# KiCad board panel_rp2354_20x20.kicad_pcb
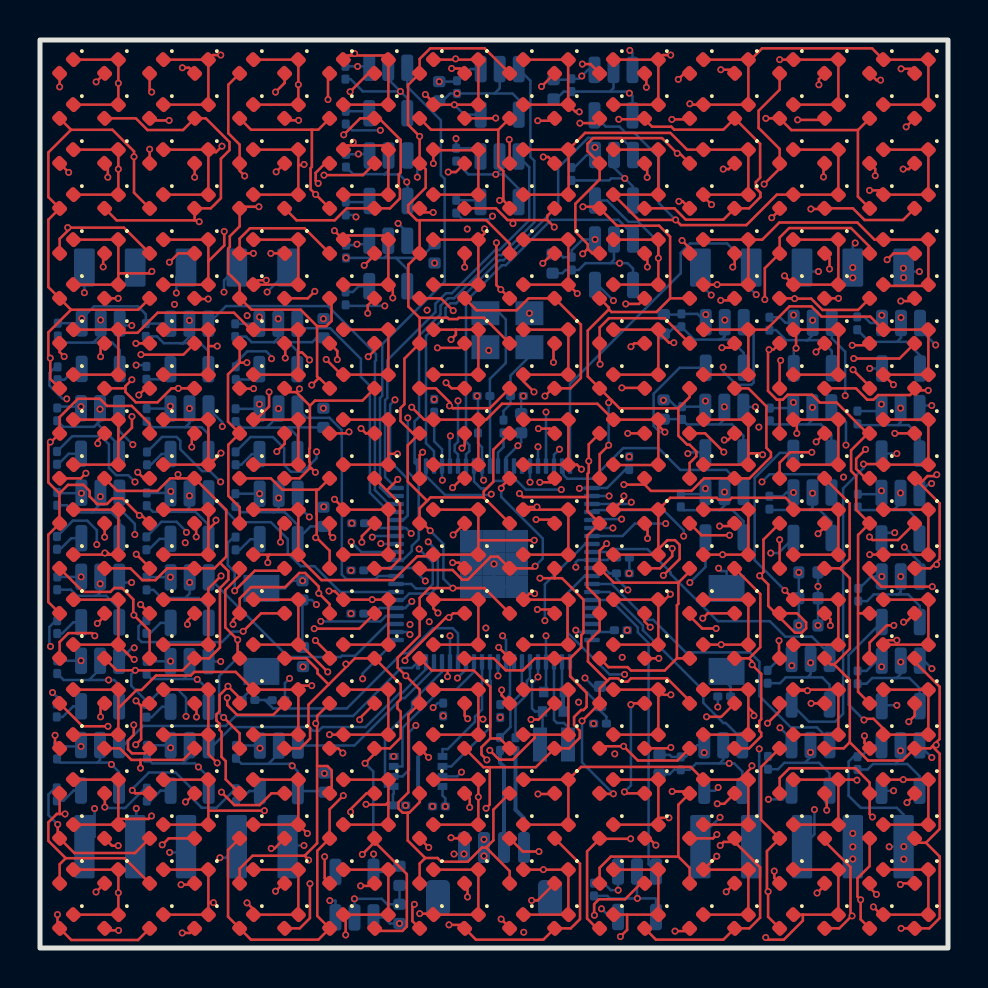
[diagram p0: board, top side]
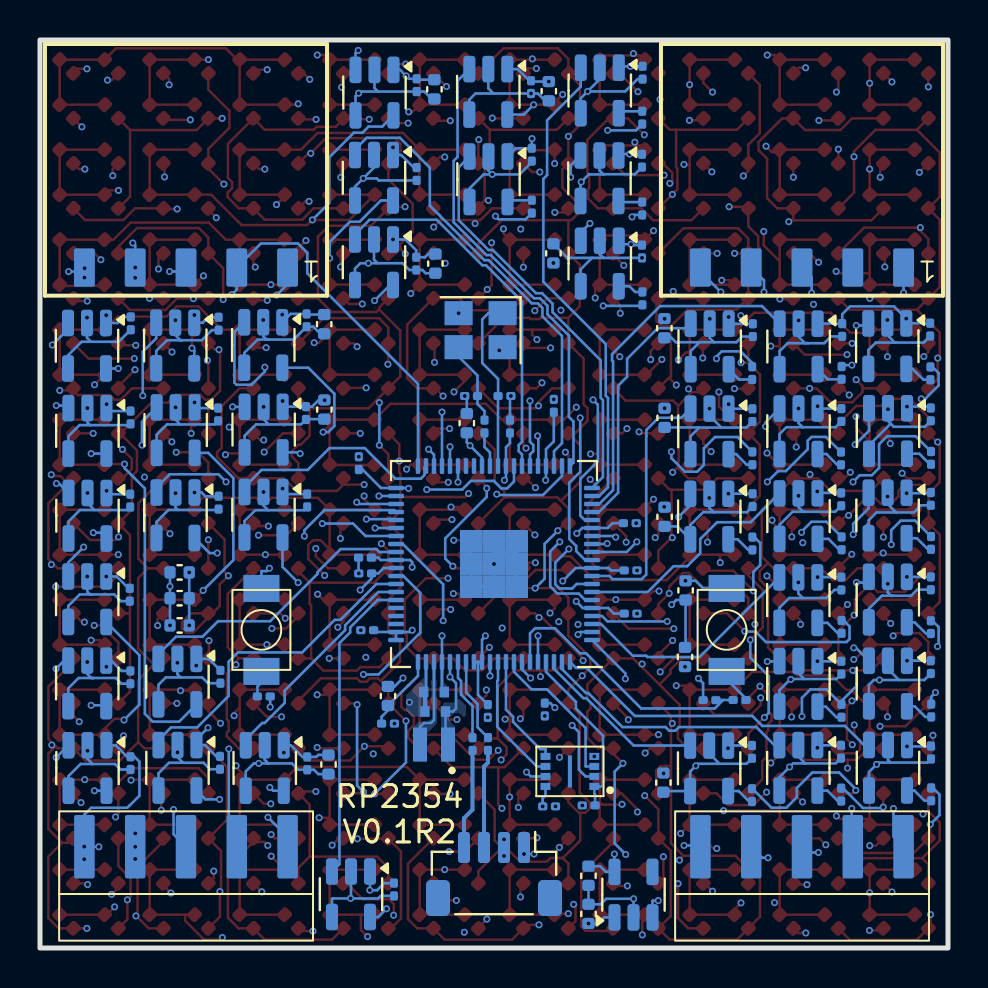
[diagram p1: board, bottom side, seen from below]

Outline 45.4 x 45.4 mm; copper layers: Top, In1.Cu, In2.Cu, In3.Cu (plane), In4.Cu (plane), Bottom. Coordinates in mm from the lower left corner of the outline.
Outline path: rectangle 0,45.4 45.4,0
Stack: Top 0.035mm / dielectric 0.1mm FR4 er 4.5 / In1.Cu 0.035mm / dielectric 0.535mm FR4 er 4.5 / In2.Cu 0.035mm / dielectric 0.1mm FR4 er 4.5 / In3.Cu 0.035mm / dielectric 0.535mm FR4 er 4.5 / In4.Cu 0.035mm / dielectric 0.1mm FR4 er 4.5 / Bottom 0.035mm

## Placement (name value [footprint] x y rotation side)
C1  15pF  [C_0201_0603Metric]  22.17 27.6 180 bottom
C2  15pF  [C_0201_0603Metric]  23.84 27.6 0 bottom
C3  100nF  [C_0201_0603Metric]  19.95 7.08 180 bottom
C4  4.7uF  [C_0402_1005Metric_small_pads]  25.7 12.8 0 bottom
C5  4.7uF  [C_0402_1005Metric_small_pads]  25.64 11.83 0 bottom
C6  100nF  [C_0201_0603Metric]  15.87 18.88 180 bottom
C7  4.7uF  [C_0402_1005Metric]  28 12.6 90 bottom
C8  4.7uF  [C_0402_1005Metric]  24.06 26.24 90 bottom
C9  100nF  [C_0201_0603Metric]  29.14 18.73 0 bottom
C10  100nF  [C_0201_0603Metric]  15.87 16.72 180 bottom
C11  100nF  [C_0201_0603Metric]  15.91 21.24 180 bottom
C12  100nF  [C_0201_0603Metric]  19.71 27.11 90 bottom
C13  100nF  [C_0201_0603Metric]  21.9 26.07 90 bottom
C14  100nF  [C_0201_0603Metric]  29.46 24.25 90 bottom
C15  100nF  [C_0201_0603Metric]  29.15 19.52 0 bottom
C16  100nF  [C_0201_0603Metric]  29.04 15.89 0 bottom
C17  100nF  [C_0201_0603Metric]  23.01 11.85 270 bottom
C18  100nF  [C_0201_0603Metric]  20.16 11.92 270 bottom
C19  100nF  [C_0201_0603Metric]  9.8 9.81 270 bottom
C20  100nF  [C_0201_0603Metric]  5.35 9.81 270 bottom
C21  100nF  [C_0201_0603Metric]  0.85 9.78 270 bottom
C22  100nF  [C_0201_0603Metric]  5.33 14.02 270 bottom
C23  100nF  [C_0201_0603Metric]  0.86 14.05 270 bottom
C24  100nF  [C_0201_0603Metric]  5.33 18.23 270 bottom
C25  100nF  [C_0201_0603Metric]  0.86 18.23 270 bottom
C26  100nF  [C_0201_0603Metric]  9.77 22.39 270 bottom
C27  100nF  [C_0201_0603Metric]  5.34 22.44 270 bottom
C28  100nF  [C_0201_0603Metric]  0.86 22.45 270 bottom
C29  100nF  [C_0201_0603Metric]  9.78 26.64 270 bottom
C30  100nF  [C_0201_0603Metric]  5.33 26.65 270 bottom
C31  100nF  [C_0201_0603Metric]  0.86 26.68 270 bottom
C32  100nF  [C_0201_0603Metric]  0.89 30.92 270 bottom
C33  100nF  [C_0201_0603Metric]  15.3 39.37 270 bottom
C34  100nF  [C_0201_0603Metric]  15.3 34.83 270 bottom
C35  100nF  [C_0201_0603Metric]  9.76 30.89 270 bottom
C36  100nF  [C_0201_0603Metric]  5.29 30.9 270 bottom
C37  100nF  [C_0201_0603Metric]  15.27 43.77 270 bottom
C38  100nF  [C_0201_0603Metric]  20.81 39.67 270 bottom
C39  100nF  [C_0201_0603Metric]  20.85 43.05 270 bottom
C40  100nF  [C_0201_0603Metric]  26.57 43.14 270 bottom
C41  100nF  [C_0201_0603Metric]  26.57 38.7 270 bottom
C42  100nF  [C_0201_0603Metric]  36.47 31.22 270 bottom
C43  100nF  [C_0201_0603Metric]  32.07 31.39 270 bottom
C44  100nF  [C_0201_0603Metric]  26.59 34.22 270 bottom
C45  100nF  [C_0201_0603Metric]  36.49 26.68 270 bottom
C46  100nF  [C_0201_0603Metric]  32.1 26.75 270 bottom
C47  100nF  [C_0201_0603Metric]  40.86 31.23 270 bottom
C48  100nF  [C_0201_0603Metric]  36.47 22.27 270 bottom
C49  100nF  [C_0201_0603Metric]  32.04 22.38 270 bottom
C50  100nF  [C_0201_0603Metric]  40.87 26.53 270 bottom
C51  100nF  [C_0201_0603Metric]  40.91 17.66 270 bottom
C52  100nF  [C_0201_0603Metric]  40.89 22.37 270 bottom
C53  100nF  [C_0201_0603Metric]  40.88 13.53 270 bottom
C54  100nF  [C_0201_0603Metric]  36.38 13.56 270 bottom
C55  100nF  [C_0201_0603Metric]  40.88 9.25 270 bottom
C56  100nF  [C_0201_0603Metric]  36.4 9.26 270 bottom
C57  100nF  [C_0201_0603Metric]  32.04 9.23 270 bottom
C58  100nF  [C_0201_0603Metric]  27.7 2.92 270 bottom
C59  10uF  [C_0402_1005Metric]  13.12 17.88 90 bottom
C60  10uF  [C_0402_1005Metric]  19.73 34.73 90 bottom
C61  10uF  [C_0402_1005Metric]  38.42 17.49 0 bottom
C62  10uF  [C_0402_1005Metric]  13.15 14.55 270 bottom
C63  10uF  [C_0402_1005Metric]  38.42 16.13 0 bottom
C64  10uF  [C_0402_1005Metric]  14.17 21.56 270 bottom
C65  10uF  [C_0402_1005Metric]  30.98 9.17 270 bottom
C66  10uF  [C_0402_1005Metric]  14.23 8.27 270 bottom
C67  10uF  [C_0402_1005Metric]  17.98 1.7 90 bottom
C68  10uF  [C_0402_1005Metric]  17.98 3.61 270 bottom
C69  10uF  [C_0402_1005Metric]  19.96 42.84 270 bottom
C70  10uF  [C_0402_1005Metric]  25.68 42.94 270 bottom
C71  10uF  [C_0402_1005Metric]  31.18 26.92 270 bottom
C72  10uF  [C_0402_1005Metric]  31.19 31.19 270 bottom
C73  10uF  [C_0402_1005Metric]  25.63 34.22 270 bottom
C74  10uF  [C_0402_1005Metric]  14.18 30.99 270 bottom
C75  10uF  [C_0402_1005Metric]  14.17 26.51 270 bottom
C76  10uF  [C_0402_1005Metric]  38.42 18.78 0 bottom
D1  LED_T0  [LED_0402_1005Metric]  1.33 44.08 225 top
D2  LED_T0  [LED_0402_1005Metric]  1.33 39.58 225 top
D3  LED_T0  [LED_0402_1005Metric]  1.33 35.08 225 top
D4  LED_T0  [LED_0402_1005Metric]  1.33 30.58 225 top
D5  LED_T0  [LED_0402_1005Metric]  1.33 26.08 225 top
D6  LED_T0  [LED_0402_1005Metric]  1.33 21.58 225 top
D7  LED_T0  [LED_0402_1005Metric]  1.33 17.08 225 top
D8  LED_T0  [LED_0402_1005Metric]  1.33 12.58 225 top
D9  LED_T0  [LED_0402_1005Metric]  1.33 8.08 225 top
D10  LED_T0  [LED_0402_1005Metric]  1.33 3.58 225 top
D11  LED_T0  [LED_0402_1005Metric]  5.83 3.58 225 top
D12  LED_T0  [LED_0402_1005Metric]  5.83 8.08 225 top
D13  LED_T0  [LED_0402_1005Metric]  5.83 12.58 225 top
D14  LED_T0  [LED_0402_1005Metric]  5.83 17.08 225 top
D15  LED_T0  [LED_0402_1005Metric]  5.83 21.58 225 top
D16  LED_T0  [LED_0402_1005Metric]  5.83 26.08 225 top
D17  LED_T0  [LED_0402_1005Metric]  5.83 30.58 225 top
D18  LED_T0  [LED_0402_1005Metric]  5.83 35.08 225 top
D19  LED_T0  [LED_0402_1005Metric]  5.83 39.58 225 top
D20  LED_T0  [LED_0402_1005Metric]  5.83 44.08 225 top
D21  LED_T1  [LED_0402_1005Metric]  3.58 44.08 225 top
D22  LED_T1  [LED_0402_1005Metric]  3.58 39.58 225 top
D23  LED_T1  [LED_0402_1005Metric]  3.58 35.08 225 top
D24  LED_T1  [LED_0402_1005Metric]  3.58 30.58 225 top
D25  LED_T1  [LED_0402_1005Metric]  3.58 26.08 225 top
D26  LED_T1  [LED_0402_1005Metric]  3.58 21.58 225 top
D27  LED_T1  [LED_0402_1005Metric]  3.58 17.08 225 top
D28  LED_T1  [LED_0402_1005Metric]  3.58 12.58 225 top
D29  LED_T1  [LED_0402_1005Metric]  3.58 8.08 225 top
D30  LED_T1  [LED_0402_1005Metric]  3.58 3.58 225 top
D31  LED_T1  [LED_0402_1005Metric]  8.08 3.58 225 top
D32  LED_T1  [LED_0402_1005Metric]  8.08 8.08 225 top
D33  LED_T1  [LED_0402_1005Metric]  8.08 12.58 225 top
D34  LED_T1  [LED_0402_1005Metric]  8.08 17.08 225 top
D35  LED_T1  [LED_0402_1005Metric]  8.08 21.58 225 top
D36  LED_T1  [LED_0402_1005Metric]  8.08 26.08 225 top
D37  LED_T1  [LED_0402_1005Metric]  8.08 30.58 225 top
D38  LED_T1  [LED_0402_1005Metric]  8.08 35.08 225 top
D39  LED_T1  [LED_0402_1005Metric]  8.08 39.58 225 top
D40  LED_T1  [LED_0402_1005Metric]  8.08 44.08 225 top
D41  LED_T2  [LED_0402_1005Metric]  1.33 41.83 225 top
D42  LED_T2  [LED_0402_1005Metric]  1.33 37.33 225 top
D43  LED_T2  [LED_0402_1005Metric]  1.33 32.83 225 top
D44  LED_T2  [LED_0402_1005Metric]  1.33 28.33 225 top
D45  LED_T2  [LED_0402_1005Metric]  1.33 23.83 225 top
D46  LED_T2  [LED_0402_1005Metric]  1.33 19.33 225 top
D47  LED_T2  [LED_0402_1005Metric]  1.33 14.83 225 top
D48  LED_T2  [LED_0402_1005Metric]  1.33 10.33 225 top
D49  LED_T2  [LED_0402_1005Metric]  1.33 5.83 225 top
D50  LED_T2  [LED_0402_1005Metric]  1.33 1.33 225 top
D51  LED_T2  [LED_0402_1005Metric]  5.83 1.33 225 top
D52  LED_T2  [LED_0402_1005Metric]  5.83 5.83 225 top
D53  LED_T2  [LED_0402_1005Metric]  5.83 10.33 225 top
D54  LED_T2  [LED_0402_1005Metric]  5.83 14.83 225 top
D55  LED_T2  [LED_0402_1005Metric]  5.83 19.33 225 top
D56  LED_T2  [LED_0402_1005Metric]  5.83 23.83 225 top
D57  LED_T2  [LED_0402_1005Metric]  5.83 28.33 225 top
D58  LED_T2  [LED_0402_1005Metric]  5.83 32.83 225 top
D59  LED_T2  [LED_0402_1005Metric]  5.83 37.33 225 top
D60  LED_T2  [LED_0402_1005Metric]  5.83 41.83 225 top
D61  LED_T3  [LED_0402_1005Metric]  3.58 41.83 225 top
D62  LED_T3  [LED_0402_1005Metric]  3.58 37.33 225 top
D63  LED_T3  [LED_0402_1005Metric]  3.58 32.83 225 top
D64  LED_T3  [LED_0402_1005Metric]  3.58 28.33 225 top
D65  LED_T3  [LED_0402_1005Metric]  3.58 23.83 225 top
D66  LED_T3  [LED_0402_1005Metric]  3.58 19.33 225 top
D67  LED_T3  [LED_0402_1005Metric]  3.58 14.83 225 top
D68  LED_T3  [LED_0402_1005Metric]  3.58 10.33 225 top
D69  LED_T3  [LED_0402_1005Metric]  3.58 5.83 225 top
D70  LED_T3  [LED_0402_1005Metric]  3.58 1.33 225 top
D71  LED_T3  [LED_0402_1005Metric]  8.08 1.33 225 top
D72  LED_T3  [LED_0402_1005Metric]  8.08 5.83 225 top
D73  LED_T3  [LED_0402_1005Metric]  8.08 10.33 225 top
D74  LED_T3  [LED_0402_1005Metric]  8.08 14.83 225 top
D75  LED_T3  [LED_0402_1005Metric]  8.08 19.33 225 top
D76  LED_T3  [LED_0402_1005Metric]  8.08 23.83 225 top
D77  LED_T3  [LED_0402_1005Metric]  8.08 28.33 225 top
D78  LED_T3  [LED_0402_1005Metric]  8.08 32.83 225 top
D79  LED_T3  [LED_0402_1005Metric]  8.08 37.33 225 top
D80  LED_T3  [LED_0402_1005Metric]  8.08 41.83 225 top
D81  LED_T0  [LED_0402_1005Metric]  10.33 44.08 225 top
D82  LED_T0  [LED_0402_1005Metric]  10.33 39.58 225 top
D83  LED_T0  [LED_0402_1005Metric]  10.33 35.08 225 top
D84  LED_T0  [LED_0402_1005Metric]  10.33 30.58 225 top
D85  LED_T0  [LED_0402_1005Metric]  10.33 26.08 225 top
D86  LED_T0  [LED_0402_1005Metric]  10.33 21.58 225 top
D87  LED_T0  [LED_0402_1005Metric]  10.33 17.08 225 top
D88  LED_T0  [LED_0402_1005Metric]  10.33 12.58 225 top
D89  LED_T0  [LED_0402_1005Metric]  10.33 8.08 225 top
D90  LED_T0  [LED_0402_1005Metric]  10.33 3.58 225 top
D91  LED_T0  [LED_0402_1005Metric]  14.83 3.58 225 top
D92  LED_T0  [LED_0402_1005Metric]  14.83 8.08 225 top
D93  LED_T0  [LED_0402_1005Metric]  14.83 12.58 225 top
D94  LED_T0  [LED_0402_1005Metric]  14.83 17.08 225 top
D95  LED_T0  [LED_0402_1005Metric]  14.83 21.58 225 top
D96  LED_T0  [LED_0402_1005Metric]  14.83 26.08 225 top
D97  LED_T0  [LED_0402_1005Metric]  14.83 30.58 225 top
D98  LED_T0  [LED_0402_1005Metric]  14.83 35.08 225 top
D99  LED_T0  [LED_0402_1005Metric]  14.83 39.58 225 top
D100  LED_T0  [LED_0402_1005Metric]  14.83 44.08 225 top
D101  LED_T1  [LED_0402_1005Metric]  12.58 44.08 225 top
D102  LED_T1  [LED_0402_1005Metric]  12.58 39.58 225 top
D103  LED_T1  [LED_0402_1005Metric]  12.58 35.08 225 top
D104  LED_T1  [LED_0402_1005Metric]  12.58 30.58 225 top
D105  LED_T1  [LED_0402_1005Metric]  12.58 26.08 225 top
D106  LED_T1  [LED_0402_1005Metric]  12.58 21.58 225 top
D107  LED_T1  [LED_0402_1005Metric]  12.58 17.08 225 top
D108  LED_T1  [LED_0402_1005Metric]  12.58 12.58 225 top
D109  LED_T1  [LED_0402_1005Metric]  12.58 8.08 225 top
D110  LED_T1  [LED_0402_1005Metric]  12.58 3.58 225 top
D111  LED_T1  [LED_0402_1005Metric]  17.08 3.58 225 top
D112  LED_T1  [LED_0402_1005Metric]  17.08 8.08 225 top
D113  LED_T1  [LED_0402_1005Metric]  17.08 12.58 225 top
D114  LED_T1  [LED_0402_1005Metric]  17.08 17.08 225 top
D115  LED_T1  [LED_0402_1005Metric]  17.08 21.58 225 top
D116  LED_T1  [LED_0402_1005Metric]  17.08 26.08 225 top
D117  LED_T1  [LED_0402_1005Metric]  17.08 30.58 225 top
D118  LED_T1  [LED_0402_1005Metric]  17.08 35.08 225 top
D119  LED_T1  [LED_0402_1005Metric]  17.08 39.58 225 top
D120  LED_T1  [LED_0402_1005Metric]  17.08 44.08 225 top
D121  LED_T2  [LED_0402_1005Metric]  10.33 41.83 225 top
D122  LED_T2  [LED_0402_1005Metric]  10.33 37.33 225 top
D123  LED_T2  [LED_0402_1005Metric]  10.33 32.83 225 top
D124  LED_T2  [LED_0402_1005Metric]  10.33 28.33 225 top
D125  LED_T2  [LED_0402_1005Metric]  10.33 23.83 225 top
D126  LED_T2  [LED_0402_1005Metric]  10.33 19.33 225 top
D127  LED_T2  [LED_0402_1005Metric]  10.33 14.83 225 top
D128  LED_T2  [LED_0402_1005Metric]  10.33 10.33 225 top
D129  LED_T2  [LED_0402_1005Metric]  10.33 5.83 225 top
D130  LED_T2  [LED_0402_1005Metric]  10.33 1.33 225 top
D131  LED_T2  [LED_0402_1005Metric]  14.83 1.33 225 top
D132  LED_T2  [LED_0402_1005Metric]  14.83 5.83 225 top
D133  LED_T2  [LED_0402_1005Metric]  14.83 10.33 225 top
D134  LED_T2  [LED_0402_1005Metric]  14.83 14.83 225 top
D135  LED_T2  [LED_0402_1005Metric]  14.83 19.33 225 top
D136  LED_T2  [LED_0402_1005Metric]  14.83 23.83 225 top
D137  LED_T2  [LED_0402_1005Metric]  14.83 28.33 225 top
D138  LED_T2  [LED_0402_1005Metric]  14.83 32.83 225 top
D139  LED_T2  [LED_0402_1005Metric]  14.83 37.33 225 top
D140  LED_T2  [LED_0402_1005Metric]  14.83 41.83 225 top
D141  LED_T3  [LED_0402_1005Metric]  12.58 41.83 225 top
D142  LED_T3  [LED_0402_1005Metric]  12.58 37.33 225 top
D143  LED_T3  [LED_0402_1005Metric]  12.58 32.83 225 top
D144  LED_T3  [LED_0402_1005Metric]  12.58 28.33 225 top
D145  LED_T3  [LED_0402_1005Metric]  12.58 23.83 225 top
D146  LED_T3  [LED_0402_1005Metric]  12.58 19.33 225 top
D147  LED_T3  [LED_0402_1005Metric]  12.58 14.83 225 top
D148  LED_T3  [LED_0402_1005Metric]  12.58 10.33 225 top
D149  LED_T3  [LED_0402_1005Metric]  12.58 5.83 225 top
D150  LED_T3  [LED_0402_1005Metric]  12.58 1.33 225 top
D151  LED_T3  [LED_0402_1005Metric]  17.08 1.33 225 top
D152  LED_T3  [LED_0402_1005Metric]  17.08 5.83 225 top
D153  LED_T3  [LED_0402_1005Metric]  17.08 10.33 225 top
D154  LED_T3  [LED_0402_1005Metric]  17.08 14.83 225 top
D155  LED_T3  [LED_0402_1005Metric]  17.08 19.33 225 top
D156  LED_T3  [LED_0402_1005Metric]  17.08 23.83 225 top
D157  LED_T3  [LED_0402_1005Metric]  17.08 28.33 225 top
D158  LED_T3  [LED_0402_1005Metric]  17.08 32.83 225 top
D159  LED_T3  [LED_0402_1005Metric]  17.08 37.33 225 top
D160  LED_T3  [LED_0402_1005Metric]  17.08 41.83 225 top
D161  LED_T0  [LED_0402_1005Metric]  19.33 44.08 225 top
D162  LED_T0  [LED_0402_1005Metric]  19.33 39.58 225 top
D163  LED_T0  [LED_0402_1005Metric]  19.33 35.08 225 top
D164  LED_T0  [LED_0402_1005Metric]  19.33 30.58 225 top
D165  LED_T0  [LED_0402_1005Metric]  19.33 26.08 225 top
D166  LED_T0  [LED_0402_1005Metric]  19.33 21.58 225 top
D167  LED_T0  [LED_0402_1005Metric]  19.33 17.08 225 top
D168  LED_T0  [LED_0402_1005Metric]  19.33 12.58 225 top
D169  LED_T0  [LED_0402_1005Metric]  19.33 8.08 225 top
D170  LED_T0  [LED_0402_1005Metric]  19.33 3.58 225 top
D171  LED_T0  [LED_0402_1005Metric]  23.83 3.58 225 top
D172  LED_T0  [LED_0402_1005Metric]  23.83 8.08 225 top
D173  LED_T0  [LED_0402_1005Metric]  23.83 12.58 225 top
D174  LED_T0  [LED_0402_1005Metric]  23.83 17.08 225 top
D175  LED_T0  [LED_0402_1005Metric]  23.83 21.58 225 top
D176  LED_T0  [LED_0402_1005Metric]  23.83 26.08 225 top
D177  LED_T0  [LED_0402_1005Metric]  23.83 30.58 225 top
D178  LED_T0  [LED_0402_1005Metric]  23.83 35.08 225 top
D179  LED_T0  [LED_0402_1005Metric]  23.83 39.58 225 top
D180  LED_T0  [LED_0402_1005Metric]  23.83 44.08 225 top
D181  LED_T1  [LED_0402_1005Metric]  21.58 44.08 225 top
D182  LED_T1  [LED_0402_1005Metric]  21.58 39.58 225 top
D183  LED_T1  [LED_0402_1005Metric]  21.58 35.08 225 top
D184  LED_T1  [LED_0402_1005Metric]  21.58 30.58 225 top
D185  LED_T1  [LED_0402_1005Metric]  21.58 26.08 225 top
D186  LED_T1  [LED_0402_1005Metric]  21.58 21.58 225 top
D187  LED_T1  [LED_0402_1005Metric]  21.58 17.08 225 top
D188  LED_T1  [LED_0402_1005Metric]  21.58 12.58 225 top
D189  LED_T1  [LED_0402_1005Metric]  21.58 8.08 225 top
D190  LED_T1  [LED_0402_1005Metric]  21.58 3.58 225 top
D191  LED_T1  [LED_0402_1005Metric]  26.08 3.58 225 top
D192  LED_T1  [LED_0402_1005Metric]  26.08 8.08 225 top
D193  LED_T1  [LED_0402_1005Metric]  26.08 12.58 225 top
D194  LED_T1  [LED_0402_1005Metric]  26.08 17.08 225 top
D195  LED_T1  [LED_0402_1005Metric]  26.08 21.58 225 top
D196  LED_T1  [LED_0402_1005Metric]  26.08 26.08 225 top
D197  LED_T1  [LED_0402_1005Metric]  26.08 30.58 225 top
D198  LED_T1  [LED_0402_1005Metric]  26.08 35.08 225 top
D199  LED_T1  [LED_0402_1005Metric]  26.08 39.58 225 top
D200  LED_T1  [LED_0402_1005Metric]  26.08 44.08 225 top
D201  LED_T2  [LED_0402_1005Metric]  19.33 41.83 225 top
D202  LED_T2  [LED_0402_1005Metric]  19.33 37.33 225 top
D203  LED_T2  [LED_0402_1005Metric]  19.33 32.83 225 top
D204  LED_T2  [LED_0402_1005Metric]  19.33 28.33 225 top
D205  LED_T2  [LED_0402_1005Metric]  19.33 23.83 225 top
D206  LED_T2  [LED_0402_1005Metric]  19.33 19.33 225 top
D207  LED_T2  [LED_0402_1005Metric]  19.33 14.83 225 top
D208  LED_T2  [LED_0402_1005Metric]  19.33 10.33 225 top
D209  LED_T2  [LED_0402_1005Metric]  19.33 5.83 225 top
D210  LED_T2  [LED_0402_1005Metric]  19.33 1.33 225 top
D211  LED_T2  [LED_0402_1005Metric]  23.83 1.33 225 top
D212  LED_T2  [LED_0402_1005Metric]  23.83 5.83 225 top
D213  LED_T2  [LED_0402_1005Metric]  23.83 10.33 225 top
D214  LED_T2  [LED_0402_1005Metric]  23.83 14.83 225 top
D215  LED_T2  [LED_0402_1005Metric]  23.83 19.33 225 top
D216  LED_T2  [LED_0402_1005Metric]  23.83 23.83 225 top
D217  LED_T2  [LED_0402_1005Metric]  23.83 28.33 225 top
D218  LED_T2  [LED_0402_1005Metric]  23.83 32.83 225 top
D219  LED_T2  [LED_0402_1005Metric]  23.83 37.33 225 top
D220  LED_T2  [LED_0402_1005Metric]  23.83 41.83 225 top
D221  LED_T3  [LED_0402_1005Metric]  21.58 41.83 225 top
D222  LED_T3  [LED_0402_1005Metric]  21.58 37.33 225 top
D223  LED_T3  [LED_0402_1005Metric]  21.58 32.83 225 top
D224  LED_T3  [LED_0402_1005Metric]  21.58 28.33 225 top
D225  LED_T3  [LED_0402_1005Metric]  21.58 23.83 225 top
D226  LED_T3  [LED_0402_1005Metric]  21.58 19.33 225 top
D227  LED_T3  [LED_0402_1005Metric]  21.58 14.83 225 top
D228  LED_T3  [LED_0402_1005Metric]  21.58 10.33 225 top
D229  LED_T3  [LED_0402_1005Metric]  21.58 5.83 225 top
D230  LED_T3  [LED_0402_1005Metric]  21.58 1.33 225 top
D231  LED_T3  [LED_0402_1005Metric]  26.08 1.33 225 top
D232  LED_T3  [LED_0402_1005Metric]  26.08 5.83 225 top
D233  LED_T3  [LED_0402_1005Metric]  26.08 10.33 225 top
D234  LED_T3  [LED_0402_1005Metric]  26.08 14.83 225 top
D235  LED_T3  [LED_0402_1005Metric]  26.08 19.33 225 top
D236  LED_T3  [LED_0402_1005Metric]  26.08 23.83 225 top
D237  LED_T3  [LED_0402_1005Metric]  26.08 28.33 225 top
D238  LED_T3  [LED_0402_1005Metric]  26.08 32.83 225 top
D239  LED_T3  [LED_0402_1005Metric]  26.08 37.33 225 top
D240  LED_T3  [LED_0402_1005Metric]  26.08 41.83 225 top
D241  LED_T0  [LED_0402_1005Metric]  28.33 44.08 225 top
D242  LED_T0  [LED_0402_1005Metric]  28.33 39.58 225 top
D243  LED_T0  [LED_0402_1005Metric]  28.33 35.08 225 top
D244  LED_T0  [LED_0402_1005Metric]  28.33 30.58 225 top
D245  LED_T0  [LED_0402_1005Metric]  28.33 26.08 225 top
D246  LED_T0  [LED_0402_1005Metric]  28.33 21.58 225 top
D247  LED_T0  [LED_0402_1005Metric]  28.33 17.08 225 top
D248  LED_T0  [LED_0402_1005Metric]  28.33 12.58 225 top
D249  LED_T0  [LED_0402_1005Metric]  28.33 8.08 225 top
D250  LED_T0  [LED_0402_1005Metric]  28.33 3.58 225 top
D251  LED_T0  [LED_0402_1005Metric]  32.83 3.58 225 top
D252  LED_T0  [LED_0402_1005Metric]  32.83 8.08 225 top
D253  LED_T0  [LED_0402_1005Metric]  32.83 12.58 225 top
D254  LED_T0  [LED_0402_1005Metric]  32.83 17.08 225 top
D255  LED_T0  [LED_0402_1005Metric]  32.83 21.58 225 top
D256  LED_T0  [LED_0402_1005Metric]  32.83 26.08 225 top
D257  LED_T0  [LED_0402_1005Metric]  32.83 30.58 225 top
D258  LED_T0  [LED_0402_1005Metric]  32.83 35.08 225 top
D259  LED_T0  [LED_0402_1005Metric]  32.83 39.58 225 top
D260  LED_T0  [LED_0402_1005Metric]  32.83 44.08 225 top
D261  LED_T1  [LED_0402_1005Metric]  30.58 44.08 225 top
D262  LED_T1  [LED_0402_1005Metric]  30.58 39.58 225 top
D263  LED_T1  [LED_0402_1005Metric]  30.58 35.08 225 top
D264  LED_T1  [LED_0402_1005Metric]  30.58 30.58 225 top
D265  LED_T1  [LED_0402_1005Metric]  30.58 26.08 225 top
D266  LED_T1  [LED_0402_1005Metric]  30.58 21.58 225 top
D267  LED_T1  [LED_0402_1005Metric]  30.58 17.08 225 top
D268  LED_T1  [LED_0402_1005Metric]  30.58 12.58 225 top
D269  LED_T1  [LED_0402_1005Metric]  30.58 8.08 225 top
D270  LED_T1  [LED_0402_1005Metric]  30.58 3.58 225 top
D271  LED_T1  [LED_0402_1005Metric]  35.08 3.58 225 top
D272  LED_T1  [LED_0402_1005Metric]  35.08 8.08 225 top
D273  LED_T1  [LED_0402_1005Metric]  35.08 12.58 225 top
D274  LED_T1  [LED_0402_1005Metric]  35.08 17.08 225 top
D275  LED_T1  [LED_0402_1005Metric]  35.08 21.58 225 top
D276  LED_T1  [LED_0402_1005Metric]  35.08 26.08 225 top
D277  LED_T1  [LED_0402_1005Metric]  35.08 30.58 225 top
D278  LED_T1  [LED_0402_1005Metric]  35.08 35.08 225 top
D279  LED_T1  [LED_0402_1005Metric]  35.08 39.58 225 top
D280  LED_T1  [LED_0402_1005Metric]  35.08 44.08 225 top
D281  LED_T2  [LED_0402_1005Metric]  28.33 41.83 225 top
D282  LED_T2  [LED_0402_1005Metric]  28.33 37.33 225 top
D283  LED_T2  [LED_0402_1005Metric]  28.33 32.83 225 top
D284  LED_T2  [LED_0402_1005Metric]  28.33 28.33 225 top
D285  LED_T2  [LED_0402_1005Metric]  28.33 23.83 225 top
D286  LED_T2  [LED_0402_1005Metric]  28.33 19.33 225 top
D287  LED_T2  [LED_0402_1005Metric]  28.33 14.83 225 top
D288  LED_T2  [LED_0402_1005Metric]  28.33 10.33 225 top
D289  LED_T2  [LED_0402_1005Metric]  28.33 5.83 225 top
D290  LED_T2  [LED_0402_1005Metric]  28.33 1.33 225 top
D291  LED_T2  [LED_0402_1005Metric]  32.83 1.33 225 top
D292  LED_T2  [LED_0402_1005Metric]  32.83 5.83 225 top
D293  LED_T2  [LED_0402_1005Metric]  32.83 10.33 225 top
D294  LED_T2  [LED_0402_1005Metric]  32.83 14.83 225 top
D295  LED_T2  [LED_0402_1005Metric]  32.83 19.33 225 top
D296  LED_T2  [LED_0402_1005Metric]  32.83 23.83 225 top
D297  LED_T2  [LED_0402_1005Metric]  32.83 28.33 225 top
D298  LED_T2  [LED_0402_1005Metric]  32.83 32.83 225 top
D299  LED_T2  [LED_0402_1005Metric]  32.83 37.33 225 top
D300  LED_T2  [LED_0402_1005Metric]  32.83 41.83 225 top
D301  LED_T3  [LED_0402_1005Metric]  30.58 41.83 225 top
D302  LED_T3  [LED_0402_1005Metric]  30.58 37.33 225 top
D303  LED_T3  [LED_0402_1005Metric]  30.58 32.83 225 top
D304  LED_T3  [LED_0402_1005Metric]  30.58 28.33 225 top
D305  LED_T3  [LED_0402_1005Metric]  30.58 23.83 225 top
D306  LED_T3  [LED_0402_1005Metric]  30.58 19.33 225 top
D307  LED_T3  [LED_0402_1005Metric]  30.58 14.83 225 top
D308  LED_T3  [LED_0402_1005Metric]  30.58 10.33 225 top
D309  LED_T3  [LED_0402_1005Metric]  30.58 5.83 225 top
D310  LED_T3  [LED_0402_1005Metric]  30.58 1.33 225 top
D311  LED_T3  [LED_0402_1005Metric]  35.08 1.33 225 top
D312  LED_T3  [LED_0402_1005Metric]  35.08 5.83 225 top
D313  LED_T3  [LED_0402_1005Metric]  35.08 10.33 225 top
D314  LED_T3  [LED_0402_1005Metric]  35.08 14.83 225 top
D315  LED_T3  [LED_0402_1005Metric]  35.08 19.33 225 top
D316  LED_T3  [LED_0402_1005Metric]  35.08 23.83 225 top
D317  LED_T3  [LED_0402_1005Metric]  35.08 28.33 225 top
D318  LED_T3  [LED_0402_1005Metric]  35.08 32.83 225 top
D319  LED_T3  [LED_0402_1005Metric]  35.08 37.33 225 top
D320  LED_T3  [LED_0402_1005Metric]  35.08 41.83 225 top
D321  LED_T0  [LED_0402_1005Metric]  37.33 44.08 225 top
D322  LED_T0  [LED_0402_1005Metric]  37.33 39.58 225 top
D323  LED_T0  [LED_0402_1005Metric]  37.33 35.08 225 top
D324  LED_T0  [LED_0402_1005Metric]  37.33 30.58 225 top
D325  LED_T0  [LED_0402_1005Metric]  37.33 26.08 225 top
D326  LED_T0  [LED_0402_1005Metric]  37.33 21.58 225 top
D327  LED_T0  [LED_0402_1005Metric]  37.33 17.08 225 top
D328  LED_T0  [LED_0402_1005Metric]  37.33 12.58 225 top
D329  LED_T0  [LED_0402_1005Metric]  37.33 8.08 225 top
D330  LED_T0  [LED_0402_1005Metric]  37.33 3.58 225 top
D331  LED_T0  [LED_0402_1005Metric]  41.83 3.58 225 top
D332  LED_T0  [LED_0402_1005Metric]  41.83 8.08 225 top
D333  LED_T0  [LED_0402_1005Metric]  41.83 12.58 225 top
D334  LED_T0  [LED_0402_1005Metric]  41.83 17.08 225 top
D335  LED_T0  [LED_0402_1005Metric]  41.83 21.58 225 top
D336  LED_T0  [LED_0402_1005Metric]  41.83 26.08 225 top
D337  LED_T0  [LED_0402_1005Metric]  41.83 30.58 225 top
D338  LED_T0  [LED_0402_1005Metric]  41.83 35.08 225 top
D339  LED_T0  [LED_0402_1005Metric]  41.83 39.58 225 top
D340  LED_T0  [LED_0402_1005Metric]  41.83 44.08 225 top
D341  LED_T1  [LED_0402_1005Metric]  39.58 44.08 225 top
D342  LED_T1  [LED_0402_1005Metric]  39.58 39.58 225 top
D343  LED_T1  [LED_0402_1005Metric]  39.58 35.08 225 top
D344  LED_T1  [LED_0402_1005Metric]  39.58 30.58 225 top
D345  LED_T1  [LED_0402_1005Metric]  39.58 26.08 225 top
D346  LED_T1  [LED_0402_1005Metric]  39.58 21.58 225 top
D347  LED_T1  [LED_0402_1005Metric]  39.58 17.08 225 top